# Altium PCB Time4CM4_PCIeCarrier_PCB.PcbDoc (part 2 of 5)
Units mil, origin at the board's own origin, x right, y up, seen from the top; angles counter-clockwise.
Board outline 4413.39 x 2736.22 mil, 6 copper layers (Top Layer, Int1 (GND), Int2 (Sign), Int3 (Sign), Int4 (PWR), Bottom Layer), stack 69.312 mil thick; 188 components, 283 nets, 1105 pads, 686 vias.
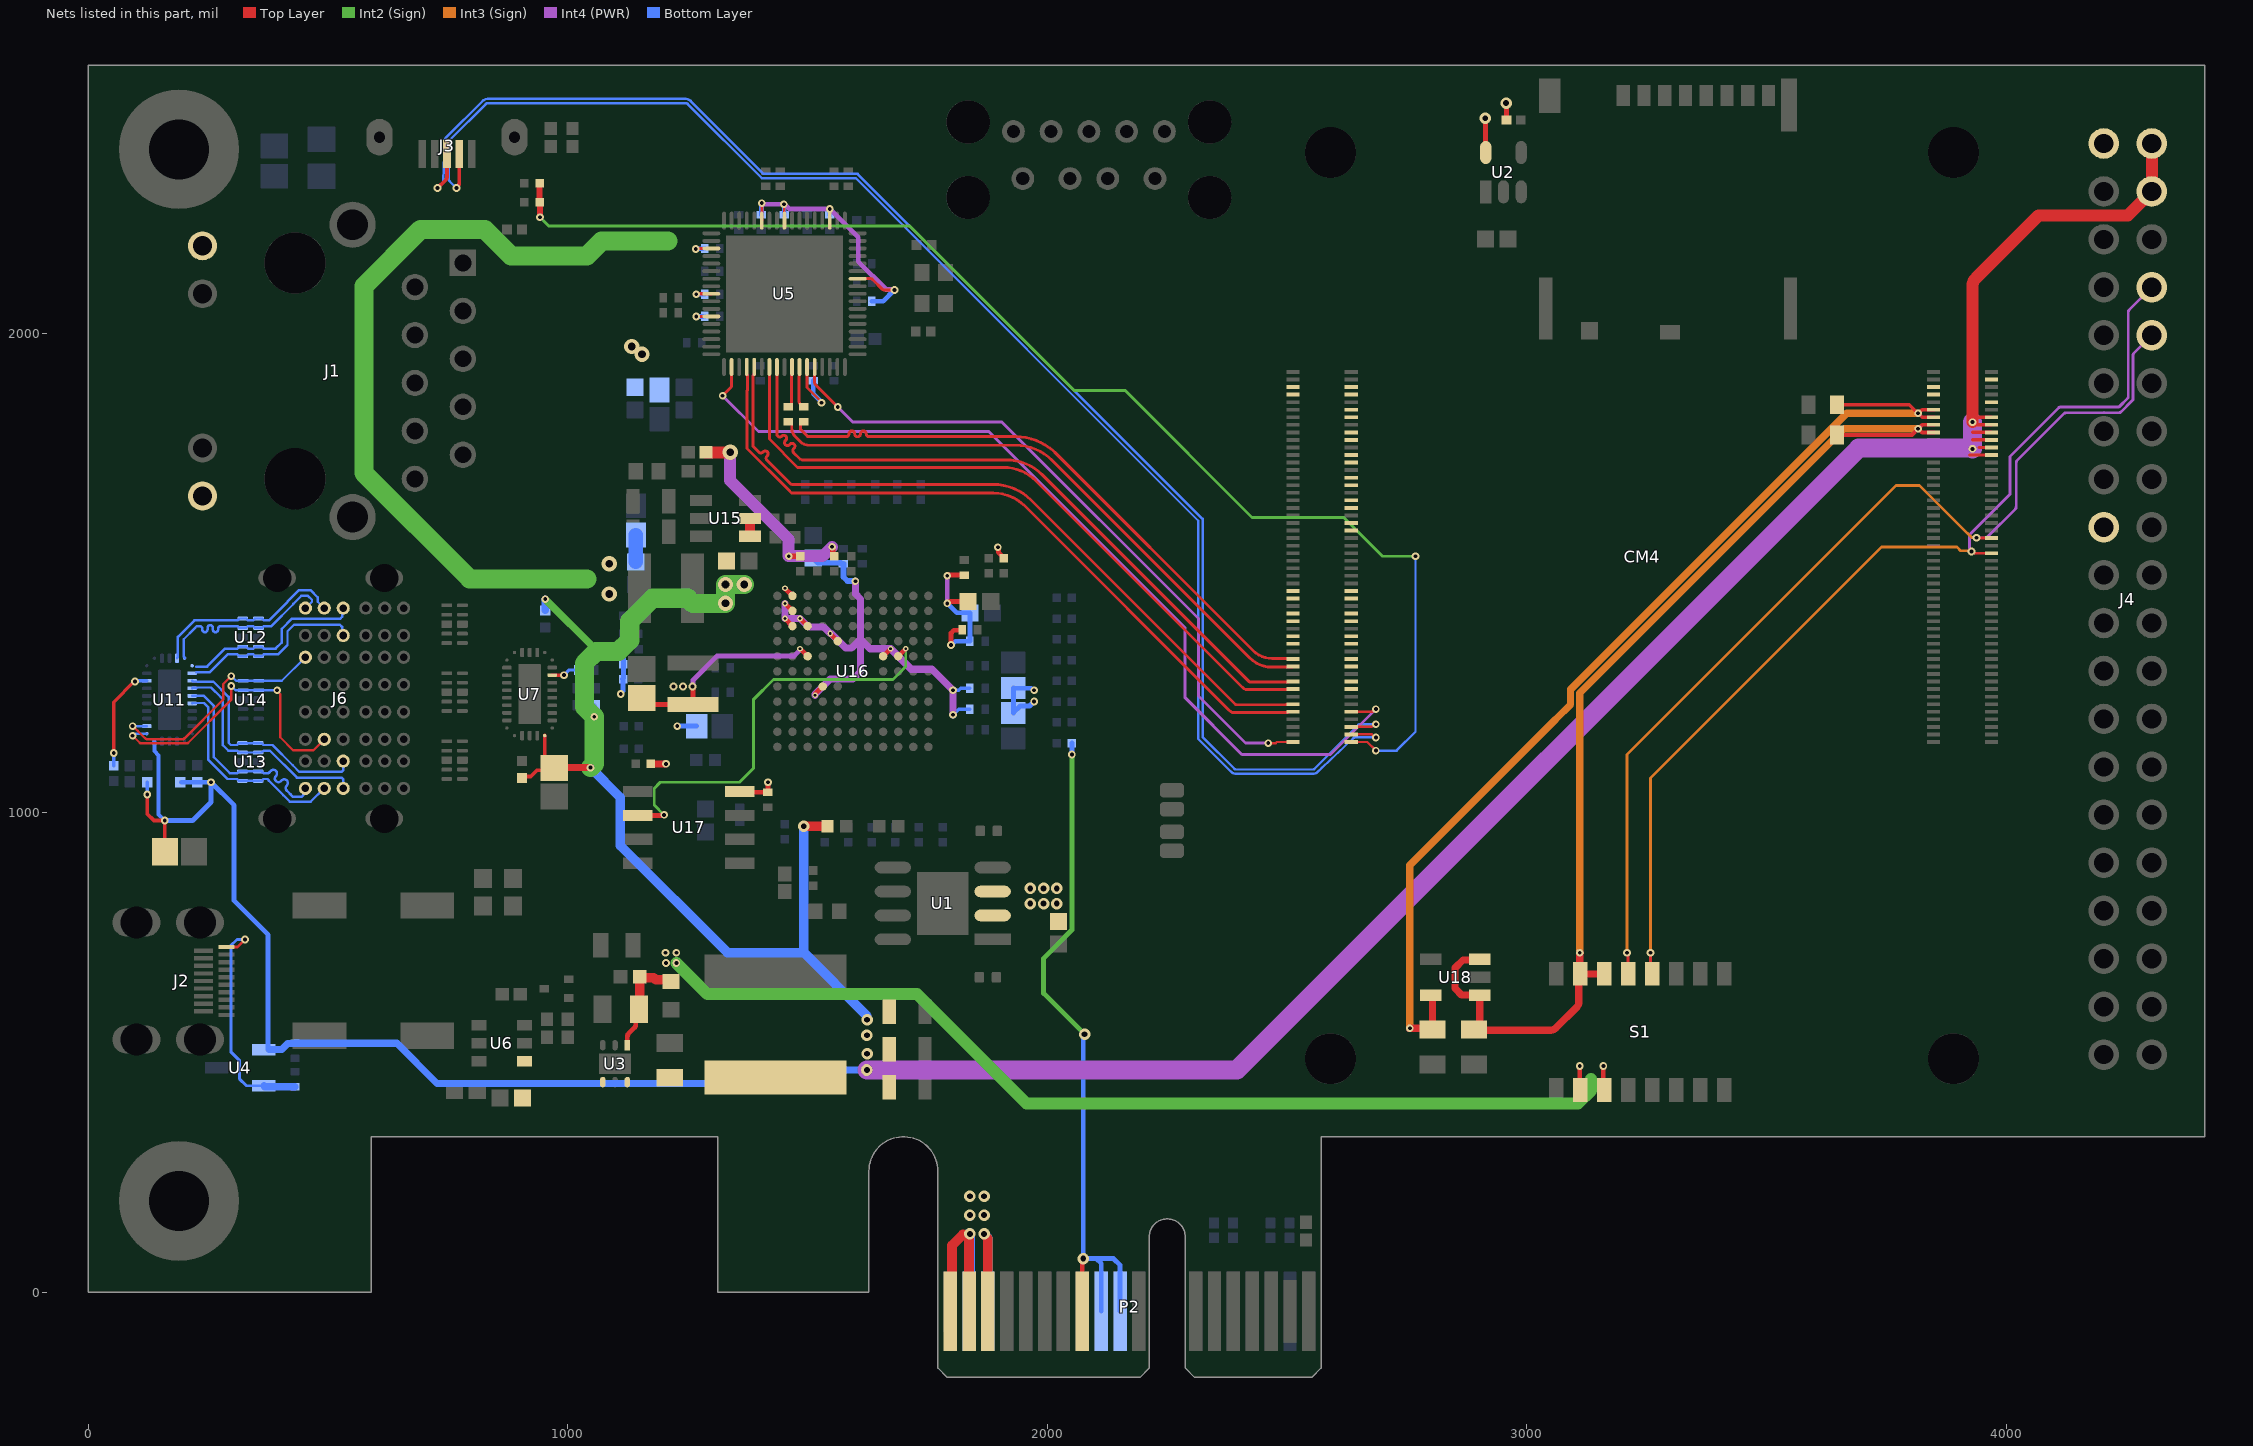
[diagram p6: the nets of this part, all layers, seen from the top]

## Part data
C1 C10 C19 C20 C43 C49 C59 C60 C65 C66 C71 C74: library part CMP-06035-045466-1, "Chip Multilayer Ceramic Capacitors for General Purpose, 0603, 10uF, X5R, 15%, 20%, 35V", Capacitance=10uF, Case Code (Imperial)=0603, Case Code (Metric)=1608, Dielectric=X5R, Max Operating Temperature=85°C, Min Operating Temperature=-55°C, Tolerance=20%, Voltage Rating=35V, Case/Package=0603, Length=0.063inch, Mount="Surface Mount", Packaging="Tape and Reel", Thickness=0.039inch, Voltage Rating (DC)=35V, Width=0.031inch
C2: library part CMP-001-00069-3, "Chip Capacitor, 10nF +/-20%, 50V, 0402, Thickness 0.6 mm", Case/Package=0402, Max Operating Temperature=85°C, Min Operating Temperature=-55°C, Tolerance=5%, Voltage Rating=50V, Mounting Technology=SMT, Pins=2
C3: library part CMP-001-00065-4, "Chip Capacitor, 100nF +/-20%, 25V, 0402, Thickness 0.6 mm", Case/Package=0402, Max Operating Temperature=85°C, Min Operating Temperature=-55°C, Tolerance=10%, Voltage Rating=25V, Mounting Technology=SMT, Pins=2
C4 C5 C6 C57 C58: library part CMP-2007-03385-2, "Chip Multilayer Ceramic Capacitors for General Purpose, 0805, 22uF, X5R, 15%, 20%, 6.3V", Case Code (Imperial)=0805, Case Code (Metric)=2012, Dielectric=X5R, Max Operating Temperature=85°C, Min Operating Temperature=-55°C, Package Quantity=1, Tolerance=20%, Voltage=6.3V, Capacitance=22uF, Case/Package=0805, Depth=1.25mm, Height=1.25mm, Lead Free="Lead Free", Length=2mm, Material=Ceramic, Mount="Surface Mount", Packaging="Tape and Reel", Radiation Hardening=No, REACH SVHC="No SVHC", Termination=SMD/SMT, Thickness=0.053inch, Voltage Rating=6.3V, Voltage Rating (DC)=6.3V, Width=0.049inch
C7: library part CMP-2008-02637-2, "General Purpose Ceramic Capacitor, 0402, 33pF, 5%, C0G, 30ppm/°C, 50V", Case Code (Imperial)=0402, Case Code (Metric)=1005, Dielectric=C0G, Insulation Resistance=100GR, Max Operating Temperature=125°C, Min Operating Temperature=-55°C, Package Quantity=1, Temperature Coefficient=30ppm/°C, Tolerance=5%, Voltage=50V, Capacitance=33pF, Case/Package=0402, Construction=Flat, Contact Plating=Tin, Depth=0.5mm, Height=0.5mm, Lead Free="Lead Free", Length=1mm, Mount="Surface Mount", Number of Pins=2, Packaging="Tape and Reel", Radiation Hardening=No, REACH SVHC="No SVHC", RoHS Compliant=Yes, Series=-, Termination=SMD/SMT, Thickness=0.022inch, Voltage Rating=50V, Voltage Rating (DC)=50V, Width=0.5mm
C8 C11 C13 C14 C21 C22 C23 C24 C27 C28 C29 C30 C31 C32 C33 C34 C35 C36 C37 C38 C39 C40 C41 C42 C48 C61 C62 C63 C64 C67 C68 C69 C70 C73 C75 C76 C77 C78 C79: library part CMP-2100-03641-2, "CAP CER 0.1UF 16V X7R 0402", Capacitance=0.10μF, Manufacturer=Murata, Manufacturer Part Number=GRM155R71C104KA88D, Package=GRM15, Temperature="-55°C to +125°C", Temperature Characteristic=X7R, Temperature Range High=+125°C, Temperature Range Low=-55°C, Tolerance=10%, Voltage Rating=16Vdc, Category=Cap, ComponentLink2Description=Datasheet, ComponentLink2URL=https://search.murata.co.jp/Ceramy/image/img/A01X/G101/ENG/GRM155R71H471KA01-01A.pdf, Device Class L1="Passive Components", Device Class L2=Capacitors, Device Class L3="Ceramic Capacitors", Digikey Description="CAP CER 0.1UF 16V X7R 0402", Height=0.55mm, Ipc Land Pattern Name=CAPC10050X219, Lead Free=yes, Material=Ceramic, Mouser Description="0402 0.1 uF 16V ±10 % Tolerance X7R SMT Multilayer Ceramic Capacitor", Octopart=https://octopart.com/grm155r71c104ka88d-murata-196880, RoHS=TRUE, Standoff Height=0mm
C9 C51 C54: library part CMP-2008-02046-2, "CAP CER 0.1UF 10V X5R 0402", Capacitance="0.10 μF", Manufacturer=Kemet, Manufacturer Part Number=C0402C104K8PACTU, Package=C0402-BB, Temperature="-55°C to +125°C", Temperature Characteristic=X5R, Temperature Coefficient=15%, Temperature Range High=+125°C, Temperature Range Low=-55°C, Tolerance=0.1, Voltage Rating="10 V", Automotive=No, Category=Cap, ComponentLink2Description=Datasheet, ComponentLink2URL=https://content.kemet.com/datasheets/KEM_C1002_X7R_SMD.pdf, Device Class L1="Passive Components", Device Class L2=Capacitors, Device Class L3="Ceramic Capacitors", Digikey Description="CAP CER 0.1UF 10V X5R 0402", Height=0.55mm, Ipc Land Pattern Name=CAPC10050X50, Lead Free=Yes, Material=Ceramic, Mouser Description="Capacitor 100 nF 10 VDC 0402", Octopart=https://octopart.com/c0402c104k8pactu-kemet-140039, RoHS=TRUE
C12: library part CMP-1036-03594-3, "General Purpose Ceramic Capacitor, 0805, 4.7nF, 10%, X7R, 0.15, 50V", Case Code (Imperial)=0805, Case Code (Metric)=2012, Dielectric=X7R, Dielectric Material=Ceramic, Insulation Resistance=100GR, Max Operating Temperature=125°C, Min Operating Temperature=-55°C, Package Quantity=1, Tolerance=10%, Voltage=50V, Capacitance=4.7nF, Case/Package=0805, Construction=Flat, Contact Plating=Tin, Depth=1.25mm, Dissipation Factor=2.5%, Height=0.94mm, Lead Free="Lead Free", Length=2.01mm, Mount="Surface Mount", Number of Pins=2, Packaging="Tape and Reel", Radiation Hardening=No, REACH SVHC="No SVHC", RoHS Compliant=Yes, Series=-, Size=0.94mm, Termination=SMD/SMT, Thickness=0.037inch, Voltage Rating=50V, Voltage Rating (DC)=50V, Width=1.25mm
C15: library part CMP-13271-000201-1, "Cap Ceramic 2.7nF 50V X7R ±10% Pad SMD 0603 +125°C T/R", Case Code (Imperial)=0603, Case Code (Metric)=1608, Dielectric=X7R, Max Operating Temperature=125°C, Min Operating Temperature=-55°C, Package Quantity=1, Tolerance=10%, Voltage=50V, Capacitance=2.7nF, Case/Package=0603, Contact Plating=Tin, Depth=0.8mm, Height=0.8mm, Length=1.6mm, Material=Ceramic, Mount="Surface Mount", Packaging="Tape and Reel", Radiation Hardening=No, Thickness=0.035inch, Voltage Rating=50V, Width=0.031inch
C16 C80 C81: library part CMP-03422-000182-1, "CAP CER 1UF 10V X7R 0805", Capacitance="1 uF", Manufacturer=Yageo, Manufacturer Part Number=CC0805KKX7R6BB105, Package=CC0805-0.85, Temperature="-30°C to +85°C", Temperature Characteristic=X7R, Temperature Range High=+85°C, Temperature Range Low=-30°C, Tolerance=0.1, Voltage Rating="10 V", Automotive=No, Category=Cap, ComponentLink2Description=Datasheet, ComponentLink2URL=http://www.yageo.com/documents/recent/UPY-GPHC_Y5V_6.3V-to-50V_8.pdf, Device Class L1="Passive Components", Device Class L2=Capacitors, Device Class L3="Ceramic Capacitors", Digikey Description="CAP CER 1UF 10V X7R 0805", Footprint Url=http://www.yageo.com/exep/pages/download/literatures/UPY-C_GEN_24.pdf, Height=0.95mm, Ipc Land Pattern Name=CAPC200125X85, Lead Free=Yes, Material=Ceramic, Mouser Description="Multilayer Ceramic Capacitors MLCC - SMD/SMT 1.0uF 10V X7R 10%", Octopart=https://octopart.com/cc0805kkx7r6bb105-yageo-42522859, RoHS=TRUE
C17: library part CMP-2100-03589-1, "Chip Capacitor, 10 pF, +/- 5%, 50 V, -55 to 125 degC, 0402 (1005 Metric), RoHS, Tape and Reel", Case Code (Imperial)=0402, Case Code (Metric)=1005, Dielectric=C0G, Dielectric Material=Ceramic, Insulation Resistance=100GR, Manufacturer=Yageo, Max Operating Temperature=125degC, Min Operating Temperature=-55degC, Package Description="2-Pin Surface Mount Device, Body 1 x 0.5 mm", Package Quantity=1, Temperature Coefficient=30ppm/degC, Tolerance=5%, Voltage=50V, Capacitance=10pF, Case/Package=0402, Composition=Ceramic, Datasheet URL=http://www.yageo.com/documents/recent/UPY-GP_NP0_16V-to-50V_14.pdf, Datasheet Version="Rev. 14, 07/2016", Depth=0.5mm, Height=0.5mm, Lead Free=LeadFree, Length=1mm, Manufacturer URL=http://www.yageo.com/, Mount=SurfaceMount, Number of Pins=2, Package Reference=0402, Packaging=TapeandReel, Radiation Hardening=No, REACH SVHC=NoSVHC, RoHSCompliant=True, Termination=SMD/SMT, Thickness=0.022inch, Voltage Rating=50V, Voltage Rating (DC)=50V, Width=0.02inch
C18: library part CMP-2000-06073-2, "CAP CER 2.2UF 10V X5R 0603", Capacitance="2.2 uF", Manufacturer=YAGEO, Manufacturer Part Number=CC0603KRX5R6BB225, Package=CC0603-DA, Temperature="-55°C to +125°C", Temperature Characteristic=X5R, Temperature Coefficient=15%, Temperature Range High=+125°C, Temperature Range Low=-55°C, Tolerance=0.1, Voltage="10 V", Automotive=No, Category=Cap, ComponentLink2Description=Datasheet, ComponentLink2URL=http://www.yageo.com/documents/recent/UPY-GPHC_X7R_6.3V-to-50V_18.pdf, Device Class L1="Passive Components", Device Class L2=Capacitors, Device Class L3="Ceramic Capacitors", Digikey Description="CAP CER 2.2UF 10V X5R 0603", Footprint Url=http://www.yageo.com/exep/pages/download/literatures/UPY-C_GEN_24.pdf, Height=0.9mm, Lead Free=Yes, Material=Ceramic, Mouser Description="Multilayer Ceramic Capacitors MLCC - SMD/SMT 2.2uF 10V X5R 10%", Octopart=https://octopart.com/cc0603krx5r6bb225-yageo-8376528, RoHS=TRUE, Voltage Rating="10 V"
C25 C26: library part CMP-2008-03091-2, "CAP CER 12PF 25V NP0 0402", Capacitance="12 pF", Manufacturer=Kemet, Manufacturer Part Number=C0402C120J3GACTU, Package=C0402-BB, Temperature="-55°C to +125°C", Temperature Characteristic=C0G, Temperature Coefficient=15%, Temperature Range High=+125°C, Temperature Range Low=-55°C, Tolerance=0.05, Voltage Rating="25 V", Automotive=No, Category=Cap, ComponentLink2Description=Datasheet, ComponentLink2URL=https://content.kemet.com/datasheets/KEM_C1002_X7R_SMD.pdf, Device Class L1="Passive Components", Device Class L2=Capacitors, Device Class L3="Ceramic Capacitors", Digikey Description="CAP CER 12PF 25V NP0 0402", Height=0.55mm, Ipc Land Pattern Name=CAPC10050X50, Lead Free=Yes, Material=Ceramic, Mouser Description="Cap Ceramic 12pF 25V C0G 5% SMD 0402 125°C Paper T/R", Octopart=https://octopart.com/c0402c120j3gactu-kemet-9143703, RoHS=TRUE
C44 C45 C46 C47: library part CMP-001-00001-6, "Chip Capacitor, 0.1 uF, +/- 5%, 16 V, 0402 (1005 Metric)", Capacitor Type=Ceramic, Case/Package=0402, Max Operating Temperature=125°C, Min Operating Temperature=-55°C, Tolerance=5%, Voltage Rating=16V, Mounting Technology=SM, Pins=2, RoHS Compliant=True
C50 C53: library part CMP-2000-06203-1, "Aluminum Electrolytic Capacitor, 100 uF, 20%, 16 V, -55 to 105 degC, 2-Pin SMD, RoHS, Tape and Reel", Capacitance=100µF, Case Size/Dimension=Ø6.3x5.8mm, Lifetime@Temperature=2000Hrs@105°C, Manufacturer=Panasonic, Operating Temp Range=-55to+105°C, Operating Temp-Max=105°C, Package Description="2-Pin Surface Mount Device, Body 6.6 x 6.6 mm", Package Reference=EEEFK1C101P, Rated Voltage=16V, Ripple Current=240mA, Datasheet URL=http://datasheet.octopart.com/EEEFK1C101P-Panasonic-datasheet-13266987.pdf, Datasheet Version=11/2012, Impedance=0.36O, Manufacturer URL=http://www.panasonic.com/, Mounting Technology=SurfaceMount, Series=FK, Type=Can
C52 C55 C72: library part CMP-2000-05451-2, "Multilayer Ceramic Capacitors 47μF ±20% 10V X5R SMD 0805", Case Code (Imperial)=0805, Case Code (Metric)=2012, Dielectric=X5R, Dielectric Material=Ceramic, Max Operating Temperature=85°C, Min Operating Temperature=-55°C, Package Quantity=1, Tolerance=20%, Voltage=10V, Capacitance=47uF, Case/Package=0805, Depth=1.25mm, Height=1.25mm, Lead Free="Lead Free", Length=2mm, Mount="Surface Mount", Packaging="Tape and Reel", REACH SVHC="No SVHC", Resistor Type=Ceramic, RoHS Compliant=Yes, Series=C, Termination=SMD/SMT, Thickness=0.057inch, Voltage Rating=10V, Voltage Rating (DC)=10V, Weight=0.000194oz, Width=0.049inch
C56: library part CMP-1035-00818-3, "CAP CER 22PF 50V NP0 0603", Capacitance="22 pF", Manufacturer=KEMET, Manufacturer Part Number=C0603C220D5GACTU, Package=C0603C-CF, Temperature="-55°C to +125°C", Temperature Characteristic=C0G, Temperature Coefficient=30ppm/°C, Temperature Range High=+125°C, Temperature Range Low=-55°C, Tolerance="0.5 pF", Voltage Rating="50 V", Automotive=Yes, Automotive Grade="Grade 1", Category=Cap, ComponentLink2Description=Datasheet, ComponentLink2URL=https://api.kemet.com/component-edge/download/datasheet/C0603C100J5GACAUTO.pdf, Device Class L1="Passive Components", Device Class L2=Capacitors, Device Class L3="Ceramic Capacitors", Digikey Description="CAP CER 22PF 50V NP0 0603", Height=0.87mm, Lead Free=Yes, Material=Ceramic, Mouser Description="Multilayer Ceramic Capacitors MLCC - SMD/SMT 50volts 22pF C0G 0.5%", Octopart=https://octopart.com/c0603c220d5gactu-kemet-9143734, RoHS=TRUE
CM4: library part CM4, "Raspberry Pi Compute Module 4 by Amornthep Phunsin"
FB4 FB7: library part CMP-0686-00445-3, "Chip Ferrite Bead, 0603, 220Ω @ 100MHz, 0.25Ω, 25%, 700mA", Case Code (Imperial)=0603, Case Code (Metric)=1608, Current Rating=500mA, DC Resistance (DCR)=250mR, Frequency=100MHz, Max Operating Temperature=125°C, Min Operating Temperature=-55°C, Package Quantity=1, Tolerance=25%, Case/Package=0603, Core Material=Ferrite, DC Current=500mA, DC Resistance-Max=250mR, Depth=0.8mm, Height=0.8mm, Impedance=220R, Lead Free="Lead Free", Length=1.6mm, Material=Steel, Max Current Rating=500mA, Max DC Current=500mA, Military Standard=Not, Number Of Circuits=1, Number of Lines=1, Number of Pins=2, Packaging="Tape and Reel", Radiation Hardening=No, REACH SVHC="No SVHC", RoHS Compliant=Yes, Series=BLM18A, Shielding=Unshielded, Termination=SMD/SMT, Test Frequency=100MHz, Width=0.8mm
FB5 FB6: library part CMP-08257-000403-1, "Power line Ferrite Bead 600Ω @ 100MHz 1A DCR 0.15Ω AEC-Q200 SMD 0603", Case Code (Imperial)=0603, Case Code (Metric)=1608, DC Resistance (DCR)=150mR, Max Current Rating=1A, Max Operating Temperature=125°C, Min Operating Temperature=-55°C, Package Quantity=4000, Ratings=AEC-Q200, Test Frequency=100MHz, Tolerance=25%, Case/Package=0603, Height=0.037inch, Impedance=600R, Lead Free="Lead Free", Length=0.063inch, Max DC Current=1A, Mount="Surface Mount", Number of Lines=1, Packaging="Tape and Reel", RoHS Compliant=Yes, Series=MPZ, Termination=SMD/SMT, Weight=7.1E-05oz, Width=0.031inch
FB8 FB9 FB10: library part CMP-03232-000001-1, "FERRITE BEAD 1 KOHM 0805 1LN", Case Code (Imperial)=0805, Case Code (Metric)=2012, DC Resistance (DCR)=300mR, Max Current Rating=350mA, Max Operating Temperature=125°C, Min Operating Temperature=-55°C, Resistor Type="Ferrite Bead", Tolerance=25%, Case/Package=0805, Core Material=Ferrite, Depth=1.4mm, ELV=Compliant, Height=1.1mm, Impedance=1kR, Lead/Base Style=SMD/SMT, Max DC Current=350mA, Mount="Surface Mount", Number of Lines=1, Number of Pins=2, Packaging="Tape and Reel", RoHS Compliant=Yes, Series=BMB-L
J1: library part HR911130A, Package=None, Availability="Not in stock", Check_prices=https://www.snapeda.com/parts/HR911130A/HanRun/view-part/?ref=eda, MF=hanrun, MP=HY911130A, Price=None, SnapEDA_Link=https://www.snapeda.com/parts/HR911130A/HanRun/view-part/?ref=snap
J2: library part CMP-04768-000007-1, "CONN RCP MICRO HDMI 19POS SMD RA", Case/Package=Metal, Current Rating=800mA, Flammability Rating="UL94 V-0", Max Operating Temperature=85°C, Min Operating Temperature=-30°C, Package Quantity=1000, Voltage Rating=30V, Body Material=Plastic, Connector Type=HDMI, Contact Material="Copper Alloy", Contact Plating=Gold, Depth=7.5mm, Gender=Receptacle, Housing Material=Polymer, Length=6.5mm, Max Current Rating=800mA, Mount="Surface Mount", Number Of Contacts=19, Number of Ports=1, Number of Positions=19, Number of Terminals/Pins=19, Orientation="Right Angle", Packaging="Tape and Reel", Pitch=0.4mm, RoHS Compliant=Yes, Series=46765, Termination=Solder, Weight=0.0109oz, Width=7mm
J3: library part CMP-2000-07368-1, "Micro USB Receptacle, Type B, SMT, Vertical, with Through-Hole Shell Stakes, -30 to 85 degC, 5-Pin SMD, RoHS, Tape and Reel", Manufacturer="Global Connector Technology", Package Description="5-Pin Surface Mount Device, Body 7.8 x 4 mm, Pitch 0.65 mm", Package Reference=USB3140, Connector Mounting=PCB, Connector Type=USB2.0MicroB, Contact Material=Copper, Contact Plating=Gold, Contact Termination=SurfaceMountVertical, Datasheet URL=http://www.farnell.com/datasheets/1913332.pdf, Datasheet Version="Rev. B2, 04/2015", Gender=Receptacle, Manufacturer URL=http://gct.co/, Mounting Technology=SurfaceMount, No. of Contacts=5, No. of Positions=5, No. of Rows=1, Orientation=Vertical, PartNumber=USB3140, Pitch=0.65mm, Series=USB3140, SVHC=NoSVHC(19-Dec-2012)
J5: "USB-A _USB TYPE-A_ USB 3.1 _USB 3.1 Gen 2, Superspeed+_ Receptacle Connector 9 Position Through Hole", Package=None, Digi-Key_Part_Number=GSB412137CHR-ND, Digi-Key_Purchase_URL=https://www.digikey.com/product-detail/en/amphenol-icc-commercial-products/GSB412137CHR/GSB412137CHR-ND/4883784?utm_source=snapeda&utm_medium=aggregator&utm_campaign=symbol, MF="Amphenol ICC", MP=GSB412137CHR, SnapEDA_Link=https://www.snapeda.com/parts/GSB412137CHR/Amphenol%20FCI/view-part/480805/?ref=snap
L1: library part CMP-14484-000604-1, "Shielded Wirewound Inductor 3.6uH 30% 6A 19.5mΩ SMD Automotive", Case/Package=Nonstandard, Current Rating=4.9A, DC Resistance (DCR)=19.5mR, Max Operating Temperature=125°C, Min Operating Temperature=-40°C, Resistor Type=Wirewound, Saturation Current=6.4A, Self Resonant Frequency=34MHz, Test Frequency=100kHz, Tolerance=30%, Core Material=Ferrite, Height - Seated (Max)=0.157inch, Inductance=3.6uH, Length=0.315inch, Mount="Surface Mount", Packaging="Tape and Reel", RoHS Compliant=Yes, Shielding=Shielded, Width=0.315inch
L3: library part CMP-14484-000491-1, "SMD Power Inductors for Automotive Applications 1.0uH ±30% 3.2A 32.4mΩ", Case/Package=Nonstandard, Current Rating=3.2A, DC Resistance (DCR)=32.4mR, Inductance=1uH, Max Operating Temperature=125°C, Min Operating Temperature=-40°C, Package Quantity=3500, Ratings=AEC-Q200, Resistor Type=Wirewound, Saturation Current=4A, Self Resonant Frequency=90MHz, Test Frequency=100kHz, Tolerance=30%, Core Material=Ferrite, Halogen Free="Halogen Free", Height=1.8mm, Height - Seated (Max)=0.071inch, Length=4mm, Max DC Current=3.2A, Mount="Surface Mount", Packaging="Tape and Reel", RoHS Compliant=Yes, Shielding=Shielded, Termination=SMD/SMT, Weight=0.003527oz, Width=0.157inch
L4: library part CMP-14484-001484-1, "SMD Power Inductors 4.7uH ±20% 0.77A 0.13Ω", Case Code (Imperial)=1212, Case Code (Metric)=3030, Current Rating=980mA, DC Resistance (DCR)=156mR, Inductance Tolerance=20%, Max DC Current=770mA, Max Operating Temperature=120°C, Min Operating Temperature=-25°C, Package Quantity=2000, Resistor Type=Wirewound, Self Resonant Frequency=48MHz, Test Frequency=100kHz, Case/Package=1212, Core Material=Ferrite, DC Current=980mA, Depth=3.1mm, Halogen Free="Halogen Free", Height=1.2mm, Height - Seated (Max)=0.047inch, Inductance=4.7uH, Lead Free="Lead Free", Length=0.118inch, Military Standard=Not, Mount="Surface Mount", Packaging="Tape and Reel", Radiation Hardening=No, RMS Current (Irms)=980mA, RoHS Compliant=Yes, Saturation Current=770mA, Series=NR, Shielding=Shielded, Termination=SMD/SMT, Tolerance=20%, Width=0.118inch
P2: "PCIE x4 Edge Connector,OrCAD Symbol,NC", Manufacturer=NA, Part Number=451, NOTE=NC, Part Type=SMT, Vendor P/N=NA
Q1: library part CMP-2000-07450-1, "N-Channel Enhancement Mode MOSFET, 20 V, 630 mA, -55 to 150 degC, 3-Pin SOT23, RoHS, Tape and Reel", Case\/Package=SOT-523, Continuous Drain Current (ID)=630mA, Drain to Source Breakdown Voltage=20V, Drain to Source Resistance=300mOhm, Gate to Source Voltage (Vgs)=6V, Input Capacitance=60.67pF, Manufacturer="Diodes Inc", Max Operating Temperature=150degC, Max Power Dissipation=280mW, Min Operating Temperature=-55degC, On-State Resistance=400MOhm, Package Description="3-Pin Small Outline Transistor, Body 1.6 x 0.8 mm, Pitch 0.5 mm", Package Quantity=3000, Package Reference=SOT523-3, Threshold Voltage=1V, Contact Plating=Matte, Datasheet URL=https://www.diodes.com/assets/Datasheets/ds31783.pdf, Datasheet Version="Rev. 3-2, 01/2012", Drain to Source Voltage (Vdss)=20V, Element Configuration=Single, Fall Time=12.3ns, Height=0.8mm, Lead Free=LeadFree, Length=1.7mm, Manufacturer URL=http://www.diodes.com/, Mount=SurfaceMount, Mounting Technology=SurfaceMount, Number of Channels=1, Number of Elements=1, Number of Pins=3, Packaging=TapeandReel, Power Dissipation=280mW, Radiation Hardening=No, Rds On Max=400mOhm, REACH SVHC=NoSVHC, Rise Time=7.4ns, RoHSCompliant=true, Turn-Off Delay Time=26.7ns, Turn-On Delay Time=5.1ns, Weight=7.1E-05oz, Width=0.85mm
R1 R2 R3 R8 R35 R36 R37 R38 R39 R41 R42 R43 R44 R45 R46 R47 R48 R49 R50 R51 R52 R53 R54 R55 R56 R57 R58 R59 R60 R61 R62 R63 R64 R65: library part CMP-2002-01154-4, "Chip Resistor, 4.7 KOhm, +/- 1%, 0.1 W, -55 to 155 degC, 0402 (1005 Metric), RoHS, Tape and Reel", Case Code (Imperial)=0402, Case Code (Metric)=1005, Max Operating Temperature="155 degC", Min Operating Temperature="-55 degC", Package Quantity=1, PartNumber=ERJ-2RKF4701X, Power Rating="100 mW", Resistance="4.7 KOhm", Tolerance=1%, Voltage Rating="50 V", Case\/Package=0402, ComponentLink1Description="Manufacturer URL", ComponentLink1URL=http://www.panasonic.com/, ComponentLink2Description=Datasheet, ComponentLink2URL=http://industrial.panasonic.com/cdbs/www-data/pdf/RDA0000/AOA0000C86.pdf, DatasheetVersion=04/2015, Height="0.35 mm", Length="1 mm", Mount="Surface Mount", Mounting Technology="Surface Mount", PackageDescription="2-Pin Surface Mount Device, Body 1 x 0.5 mm", PackageReference=0402, Packaging="Cut Tape", Pins=2, Radiation Hardening=No, REACH SVHC=Yes, RoHSCompliant=true, Width="0.5 mm"
R4: library part CMP-009-00004-5, "Chip Resistor, 0 Ohm, 0.063 W, -55 to 155 degC, 0402 (1005 Metric)", Case/Package=0402, Max Operating Temperature=155°C, Min Operating Temperature=-55°C, Power=63mW, Voltage Rating=50V, Mounting Technology=SM, Pins=2, RoHS Compliant=True
R5: library part CMP-2002-08380-2, "RES Thick Film, 22.1kΩ, 1%, 0.063W, 100ppm/°C, 0402", Case Code (Imperial)=0402, Case Code (Metric)=1005, Max Operating Temperature=155°C, Min Operating Temperature=-55°C, Package Quantity=10000, Power Rating=63mW, Resistance=22.1kR, Temperature Coefficient=100ppm/°C, Tolerance=1%, Voltage Rating=50V, Case/Package=0402, Composition="Thick Film", Contact Plating=Tin, Depth=0.5mm, Height=0.35mm, Lead Free="Lead Free", Length=1mm, Military Standard=Not, Mount="Surface Mount", Number of Pins=2, Number of Terminations=2, Packaging="Tape and Reel", Radiation Hardening=No, Termination=SMD/SMT, Voltage Rating (DC)=50V, Weight=2.3E-05oz, Width=0.5mm, Working Voltage=50V
R6: library part CMP-2002-08223-2, "RES Thick Film, 15.8kΩ, 1%, 0.063W, 100ppm/°C, 0402", Case Code (Imperial)=0402, Case Code (Metric)=1005, Max Operating Temperature=155°C, Max Power Dissipation=63mW, Min Operating Temperature=-55°C, Package Quantity=10, Resistance=15.8kR, Temperature Coefficient=100ppm/°C, Tolerance=1%, Voltage Rating=50V, Case/Package=0402, Composition="Thick Film", Contact Plating=Tin, Depth=0.5mm, Features="Automotive AEC-Q200", Height=0.016inch, Lead Free="Lead Free", Length=1mm, Military Standard=Not, Mount="Surface Mount", Number of Pins=2, Number of Terminations=2, Packaging="Tape and Reel", Power Rating=63mW, Radiation Hardening=No, Termination=SMD/SMT, Voltage Rating (DC)=50V, Weight=2.3E-05oz, Width=0.02inch
R7: library part CMP-1011-00742-2, Manufacturer=Panasonic, Part Number=ERJ-2RKF1153X
R9 R10: library part CMP-2002-07697-1, Manufacturer="Yageo / Phycomp", Part Number=RC0402FR-07470RL
R11: library part CMP-2002-07378-2, "RES SMD 12K OHM 1% 1/16W 0402", Case Code (Imperial)=0402, Case Code (Metric)=1005, Max Operating Temperature=155°C, Max Power Dissipation=63mW, Min Operating Temperature=-55°C, Package Quantity=1, Power Rating=62.5mW, Resistance=12kR, Resistance Tolerance=1%, Resistor Type="Thick Film", Temperature Coefficient=100ppm/°C, Voltage Rating=50V, Case/Package=0402, Construction=Rectangular, Depth=0.5mm, Features="Moisture Resistant", Height=0.016inch, Lead Free="Lead Free", Length=1mm, Military Standard=Not, Number of Terminations=2, Packaging="Tape and Reel", REACH SVHC="No SVHC", RoHS Compliant=Yes, Series=RC, Size Code=0402, Termination=SMD/SMT, Tolerance=1%, Weight=2.3E-05oz, Width=0.02inch
R12: library part CMP-2001-04378-6, "RES SMD 1M OHM 1% 1/8W 0805", Case Code (Imperial)=0805, Case Code (Metric)=2012, Max Operating Temperature=155°C, Max Power Dissipation=125mW, Min Operating Temperature=-55°C, Package Quantity=1, Resistance=1MR, Resistance Tolerance=1%, Resistor Type="Thick Film", Temperature Coefficient=100ppm/°C, Voltage Rating=150V, Case/Package=0805, Construction=Rectangular, Contact Plating=Tin, Depth=1.25mm, Features="Automotive AEC-Q200", Height=0.6mm, Lead Free="Lead Free", Length=2mm, Military Standard=Not, Mount="Surface Mount", Number of Pins=2, Number of Terminations=2, Packaging="Tape and Reel", Power Rating=125mW, Radiation Hardening=No, REACH SVHC="No SVHC", RoHS Compliant=Yes, Series=ERJ, Size Code=0805, Technology="THICK FILM", Termination=SMD/SMT, Tolerance=1%, Voltage Rating (DC)=150V, Width=1.2mm
R13: library part CMP-02407-008566-1, "RES Thick Film, 499kΩ, 1%, 0.125W, 100ppm/°C, 0805", Case Code (Imperial)=0805, Case Code (Metric)=2012, Max Operating Temperature=155°C, Max Power Dissipation=125mW, Min Operating Temperature=-55°C, Package Quantity=10000, Resistance=499kR, Temperature Coefficient=100ppm/°C, Tolerance=1%, Voltage Rating=150V, Case/Package=0805, Composition="Thick Film", Contact Plating=Tin, Features="Automotive AEC-Q200", Height=0.02inch, Lead Free="Lead Free", Length=0.079inch, Number of Terminations=2, Packaging="Tape and Reel", Power Rating=125mW, Radiation Hardening=No, Termination=SMD/SMT, Weight=0.000194oz, Width=0.049inch
R14: library part CMP-1013-00757-2, "RES Thick Film, 160kΩ, 1%, 0.125W, 100ppm/°C, 0805", Case Code (Imperial)=0805, Case Code (Metric)=2012, Max Operating Temperature=155°C, Min Operating Temperature=-55°C, Package Quantity=5000, Power Rating=125mW, Resistance=160kR, Temperature Coefficient=100ppm/°C, Tolerance=1%, Voltage Rating=150V, Case/Package=0805, Composition="Thick Film", Contact Plating=Tin, Depth=1.25mm, Height=0.45mm, Length=2mm, Military Standard=Not, Mount="Surface Mount", Number of Pins=2, Packaging="Tape and Reel", Radiation Hardening=No, Termination=SMD/SMT, Weight=0.000194oz, Width=1.25mm
R15 R16: library part CMP-2002-01132-2, "Precision Thick Film Chip Resistor, 2.2 kOhm, 100 mW, 1%, -55 to 155 degC, 2-Pin SMD (0402), RoHS, Tape and Reel", Manufacturer=Panasonic, Package Description="2-Pin Surface Mount Device, Body 1 x 0.5 mm", Package Reference=0402, Rated Power=0.1W, Resistance=2.2kO, Temp Coefficient=±100ppm/°C, Tolerance (%)=±1%, Datasheet URL=https://datasheet.ciiva.com/11821/0900766b80f80784-11821273.pdf, Datasheet Version=03/2011, Manufacturer URL=http://www.panasonic.com/, Mounting Technology=SurfaceMount, Size Code=0402
R17: library part CMP-2002-07410-1, Manufacturer="Yageo / Phycomp", Part Number=RC0402FR0715KL
R18: library part CMP-2002-07778-1, Manufacturer=Yageo, Part Number=RC0402FR-076K04L
R19 R20 R21 R30 R32: library part CMP-1011-00642-2, Manufacturer=Yageo, Part Number=RC0402FR-0715K4L
R22 R23 R24 R26 R27 R28: library part CMP-1011-00768-4, "Chip Resistor, 200 KOhm, +/- 1%, 100 mW, -55 to 155 degC, 0402 (1005 Metric), RoHS, Tape and Reel", Case Code (Imperial)=0402, Case Code (Metric)=1005, Manufacturer="Basic Passives", Max Operating Temperature="155 degC", Min Operating Temperature="-55 degC", Package Quantity=10000, PartNumber=ERJ-2RKF2003X, Power Rating="100 mW", Resistance="200 KOhm", Tolerance=1%, Voltage Rating="50 V", Case\/Package=0402, ComponentLink1Description="Manufacturer URL", ComponentLink1URL=http://www.panasonic.com/, ComponentLink2Description=Datasheet, ComponentLink2URL=http://industrial.panasonic.com/cdbs/www-data/pdf/RDA0000/AOA0000C86.pdf, DatasheetVersion=04/2015, Height="0.35 mm", Length="1 mm", Mount="Surface Mount", Mounting Technology="Surface Mount", PackageDescription="2-Pin Surface Mount Device, Body 1 x 0.5 mm", PackageReference=0402, Packaging="Tape and Reel", Pins=2, Radiation Hardening=No, REACH SVHC="No SVHC", RoHSCompliant=true, Width="0.5 mm"
R25 R29: library part CMP-1011-00844-2, Manufacturer="Yageo / Phycomp", Part Number=RC0402FR-07909KL
R31: library part CMP-2002-01168-1, Manufacturer=Panasonic, Part Number=ERJ2RKF6802X
R33: library part CMP-2002-07837-1, Manufacturer=Yageo, Part Number=RC0402FR-0790K9L
R34: library part CMP-1011-00427-2, Manufacturer=Panasonic, Part Number=ERJ-2RKF1910X
R40: library part CMP-2002-01154-4, Case Code (Imperial)=0402, Case Code (Metric)=1005, Max Operating Temperature="155 degC", Min Operating Temperature="-55 degC", Package Quantity=1, PartNumber=ERJ-2RKF4701X, Power Rating="100 mW", Resistance="4.7 KOhm", Tolerance=1%, Voltage Rating="50 V", Case\/Package=0402, ComponentLink1Description="Manufacturer URL", ComponentLink1URL=http://www.panasonic.com/, ComponentLink2Description=Datasheet, ComponentLink2URL=http://industrial.panasonic.com/cdbs/www-data/pdf/RDA0000/AOA0000C86.pdf, DatasheetVersion=04/2015, Height="0.35 mm", Length="1 mm", Mount="Surface Mount", Mounting Technology="Surface Mount", PackageDescription="2-Pin Surface Mount Device, Body 1 x 0.5 mm", PackageReference=0402, Packaging="Cut Tape", Pins=2, Radiation Hardening=No, REACH SVHC=Yes, RoHSCompliant=true, Width="0.5 mm"
R66 R67: library part CMP-2000-03817-2, "RES Thick Film, 0Ω, , 0.33W, , 0603", Case Code (Imperial)=0603, Case Code (Metric)=1608, Max Operating Temperature=155°C, Max Power Dissipation=250mW, Min Operating Temperature=-55°C, Package Quantity=5000, Resistance=0mR, Temperature Coefficient=0ppm/°C, Voltage Rating=75V, Case/Package=0603, Composition="Thick Film", Contact Plating=Tin, Depth=0.85mm, Features="Automotive AEC-Q200", Height=0.45mm, Lead Free="Lead Free", Length=1.6mm, Military Standard=Not, Mount="Surface Mount", Number of Pins=2, Number of Terminations=2, Packaging="Tape and Reel", Power Rating=250mW, Radiation Hardening=No, Termination=SMD/SMT, Voltage Rating (DC)=75V, Weight=7.1E-05oz, Width=0.033inch
S1: "Switch", Manufacturer_Name=Diptronics, Mouser Part Number=113-DHN-08-T-V, Datasheet Link=https://componentsearchengine.com/Datasheets/1/DHN-08-T-V.pdf, Height=1.65mm, Manufacturer_Part_Number=DHN-08-T-V, Mouser Price/Stock=https://www.mouser.com/Search/Refine.aspx?Keyword=113-DHN-08-T-V
SD1: library part CMP-2000-05621-1, "Micro SD Connector, Pitch 1.1 mm, 8 Position, Height 1.4 mm, -25 to 85 degC, RoHS, Tape and Reel", Current Rating=500mA, Manufacturer=Molex, Package Description="Micro SD Connector, Pitch 1.1 mm, 8 Position, Height 1.4 mm", Voltage Rating=10VAC/DC, Brand=Molex, Datasheet URL=http://www.molex.com/pdm_docs/sd/5033981892_sd.pdf, Datasheet Version="Rev. E, 04/2006", Factory Pack Quantity=2400, Manufacturer URL=http://www.molex.com/, Mounting Technology=SurfaceMount, Package Reference=503398-1892, Packaging=Reel, Product Category=MemoryCardConnectors, RoHS=Details, Series=503398
U1: library part CMP-12757-000024-1, "DCDC CONV HV BUCK SO-8EP"
U2: library part CMP-79883-000001-1, "IC PWR SWTCH N-CHAN 1:1 TSOT23-5", Case/Package=SOT-23-5, Max Operating Temperature=85°C, Max Output Current=1A, Min Operating Temperature=-40°C, On-State Resistance=70mR, Fault Protection="Over Temperature", Interface=On/Off, Number of Outputs=1, Number of Pins=23, Output Configuration="High Side", Packaging="Tape and Reel", REACH SVHC="No SVHC", RoHS Compliant=Yes
U3: library part CMP-04917-000172-1, "IC REG LINEAR POS ADJ 1A 6WSON"
U4: "Integrated Circuit", Manufacturer_Name=RICHTEK, Datasheet Link=https://datasheet.lcsc.com/szlcsc/Richtek-Tech-RT9742ANGJ5F_C147955.pdf, Height=1.295mm, Manufacturer_Part_Number=RT9742SNGV
U6: library part CMP-12749-000002-1, "LOAD SWITCH,SOT26,T&R,3K"
U7 U11: library part CMP-04877-000019-1, "USB TYPE-C DRP PORT CONTROLLER W", Max Operating Temperature=70°C, Max Supply Voltage=5.5V, Min Operating Temperature=0°C, Min Supply Voltage=3V, Data Rate=10Gbps, Lead Free="Lead Free", Mount="Surface Mount", Number of Pins=30, Number of Ports=1, Packaging="Tape and Reel", REACH SVHC="No SVHC", RoHS Compliant=Yes, Usb Standard="USB 3.1"
U8 U9 U10 U12 U13 U14: library part CMP-04985-000004-1, "TVS DIODE 5.5V 14V 10USON", Ambient Temperature Range High=+125°C, Ambient Temperature Range Low=-40°C, Breakdown Voltage=6.4V, Capacitance=0.5pF, Clamping Voltage=14V, Manufacturer="Texas Instruments", Operating Supply Voltage=5.5V, Package=DQA0010A, Peak Pulse Current=2.5A, Peak Pulse Power=2.5W, Temperature="-40°C to +125°C", Automotive=Yes, Automotive Grade="Grade 1", Category=IC, ComponentLink2Description=Datasheet, ComponentLink2URL=http://www.ti.com/lit/ds/symlink/tpd4e05u06-q1.pdf, Device Class L1="Circuit Protection", Device Class L2="ESD and Circuit Protection ICs", Device Class L3=unset, Digikey Description="TVS DIODE 5.5V 14V 10USON", Direction=Unidirectional, Height=0.55mm, Interface=USB,Ethernet,LVDS,Other, Lead Free=Yes, Manufacturer Part Number=TPD4E05U06QDQARQ1, Mouser Description="Automotive 4-Channel ESD Protection Solution for SuperSpeed (up to 5 Gbps) Interface 10-USON -40 to 125", Number of Channels=4, Octopart=https://octopart.com/tpd4e05u06qdqarq1-texas+instruments-48523459, Reverse Standoff Voltage=5.5V, RoHS=TRUE, Standoff Height=0mm, Temperature Range High=+125°C, Temperature Range Low=-40°C
U15: "Integrated Circuit", Manufacturer_Name="Diodes Inc.", Mouser Part Number=621-AP3445LW6-7, Supplier Part Number 1=AP3445LW6-7DICT-ND, Arrow Part Number=AP3445LW6-7, Arrow Price/Stock=https://www.arrow.com/en/products/ap3445lw6-7/diodes-incorporated, Datasheet Link=https://www.mouser.com/datasheet/2/115/AP3445-L-1382378.pdf, Height=1.4mm, Manufacturer_Part_Number=AP3445LW6-7, Mouser Price/Stock=https://www.mouser.co.uk/ProductDetail/Diodes-Incorporated/AP3445LW6-7?qs=%252BEew9%252B0nqrAxy08hG7uGeQ%3D%3D, Supplier 1=Digi-Key
U16: "Integrated Circuit", Manufacturer_Name=MaxLinear, Mouser Part Number=701-XR17V352IB113-F, Arrow Part Number=XR17V352IB113-F, Arrow Price/Stock=https://www.arrow.com/en/products/xr17v352ib113-f/maxlinear-inc?region=nac, Datasheet Link=https://www.mouser.com/datasheet/2/146/XR17V352-536180.pdf, Height=1.53mm, Manufacturer_Part_Number=XR17V352IB113-F, Mouser Price/Stock=https://www.mouser.co.uk/ProductDetail/MaxLinear/XR17V352IB113-F?qs=j9wFvaVy6jcT7uc4HigktQ%3D%3D
U17: library part CMP-06313-000016-1, "IC EEPROM 1K SPI 2MHZ 8SOIC", Frequency=2MHz, Manufacturer=Microchip, Max Supply Voltage=5.5V, Min Supply Voltage=1.8V, Nominal Supply Current=0.5mA, Package=C04-057-SN, Temperature="-40°C to +85°C", Temperature Range High=+85°C, Temperature Range Low=-40°C, Access Time=1000ns, Automotive=No, Category=IC, ComponentLink2Description=Datasheet, ComponentLink2URL=http://ww1.microchip.com/downloads/en/DeviceDoc/20006224B.pdf, Device Class L1="Integrated Circuits (ICs)", Device Class L2=Memory, Device Class L3=EEPROM, Digikey Description="IC EEPROM 1K SPI 2MHZ 8SOIC", Height=1.75mm, Interface=Other, Ipc Land Pattern Name=SOIC127P600X175-8, Lead Free=Yes, Manufacturer Part Number=AT93C46DN-SH-T, Memory Size=1Kbits, Memory Type=EEPROM, Mouser Description="EEPROM Serial-3Wire 1K-Bit 128 x 8/64 x 16 2.5V/3.3V/5V 8-Pin SOIC T/R", Octopart=https://octopart.com/at93c46dn-sh-t-microchip-77759177, RoHS=TRUE, Standoff Height=0.1mm
U18: "Integrated Circuit", Manufacturer_Name="Diodes Inc.", Mouser Part Number=621-AP2112K-1.8TRG1, Arrow Part Number=AP2112K-1.8TRG1, Arrow Price/Stock=https://www.arrow.com/en/products/ap2112k-1.8trg1/diodes-incorporated?region=nac, Datasheet Link=https://www.diodes.com/assets/Datasheets/AP2112.pdf, Height=1.4mm, Manufacturer_Part_Number=AP2112K-1.8TRG1, Mouser Price/Stock=https://www.mouser.co.uk/ProductDetail/Diodes-Incorporated/AP2112K-1.8TRG1?qs=x6A8l6qLYDBx1xhw8AX2cw%3D%3D
Y1: library part CMP-27762-004420-1, "Crystal 25MHz ±20ppm 10pF SMD-4 2.5mm x 2mm", Case/Package=CSMD, ESR (Equivalent Series Resistance)=100R, Frequency=25MHz, Frequency Stability=20ppm, Load Capacitance=10pF, Max Operating Temperature=70°C, Min Operating Temperature=-20°C, Operating Frequency="25 MHz", Package Quantity=1000, Depth=2mm, Frequency Tolerance=20ppm, Height=0.02inch, Lead Free="Lead Free", Length=2.5mm, Mount="Surface Mount", Number of Pins=4, Packaging="Tape and Reel", REACH SVHC="No SVHC", Series=ABM10, Series Resistance=100R, Termination=SMD/SMT, Tolerance=20ppm, Width=2mm

## Free pads (board coordinates)
  round 106.3 hole 106.3: 1(2590.45,2377.2) 1(2590.59,487.43) 1(3889.81,487.43) 1(3889.81,2377.2)
  rrect50% 50x30 smd: 2(2259.84,921.26) 2(2259.84,960.63) 2(2259.84,1007.87) 2(2259.84,1047.24)
  round 250 hole 125.2: MH1(189.05,190.95) MH2(189.05,2384.01)

## Via types
v1: diameter 16, hole 8, Top Layer to Bottom Layer, tented both sides, 372 vias
v2: diameter 20, hole 10, Top Layer to Bottom Layer, tented both sides, 88 vias
v3: diameter 12, hole 6, Top Layer to Bottom Layer, tented both sides, 87 vias
v4: diameter 24, hole 12, Top Layer to Bottom Layer, tented both sides, 69 vias
v5: diameter 19.68, hole 7.87, Top Layer to Bottom Layer, tented both sides, 36 vias
v6: diameter 32, hole 16, Top Layer to Bottom Layer, tented both sides, 19 vias
v7: diameter 19.68, hole 7.87, Top Layer to Bottom Layer, 12 vias
v8: diameter 16, hole 6, Top Layer to Bottom Layer, tented both sides, 2 vias
v9: diameter 80, hole 40, Top Layer to Bottom Layer, tented both sides, 1 vias
